# Altium PCB 2014_BeaconEye.PCBDOC
Units mil, origin at the board's own origin, x right, y up, seen from the top; angles counter-clockwise.
Board outline 3070.87 x 2952.76 mil, 4 copper layers (1-TOP, 2-GND, 3-SIGNAL, 4-BOTTOM); 50 components, 54 nets, 236 pads, 64 vias.
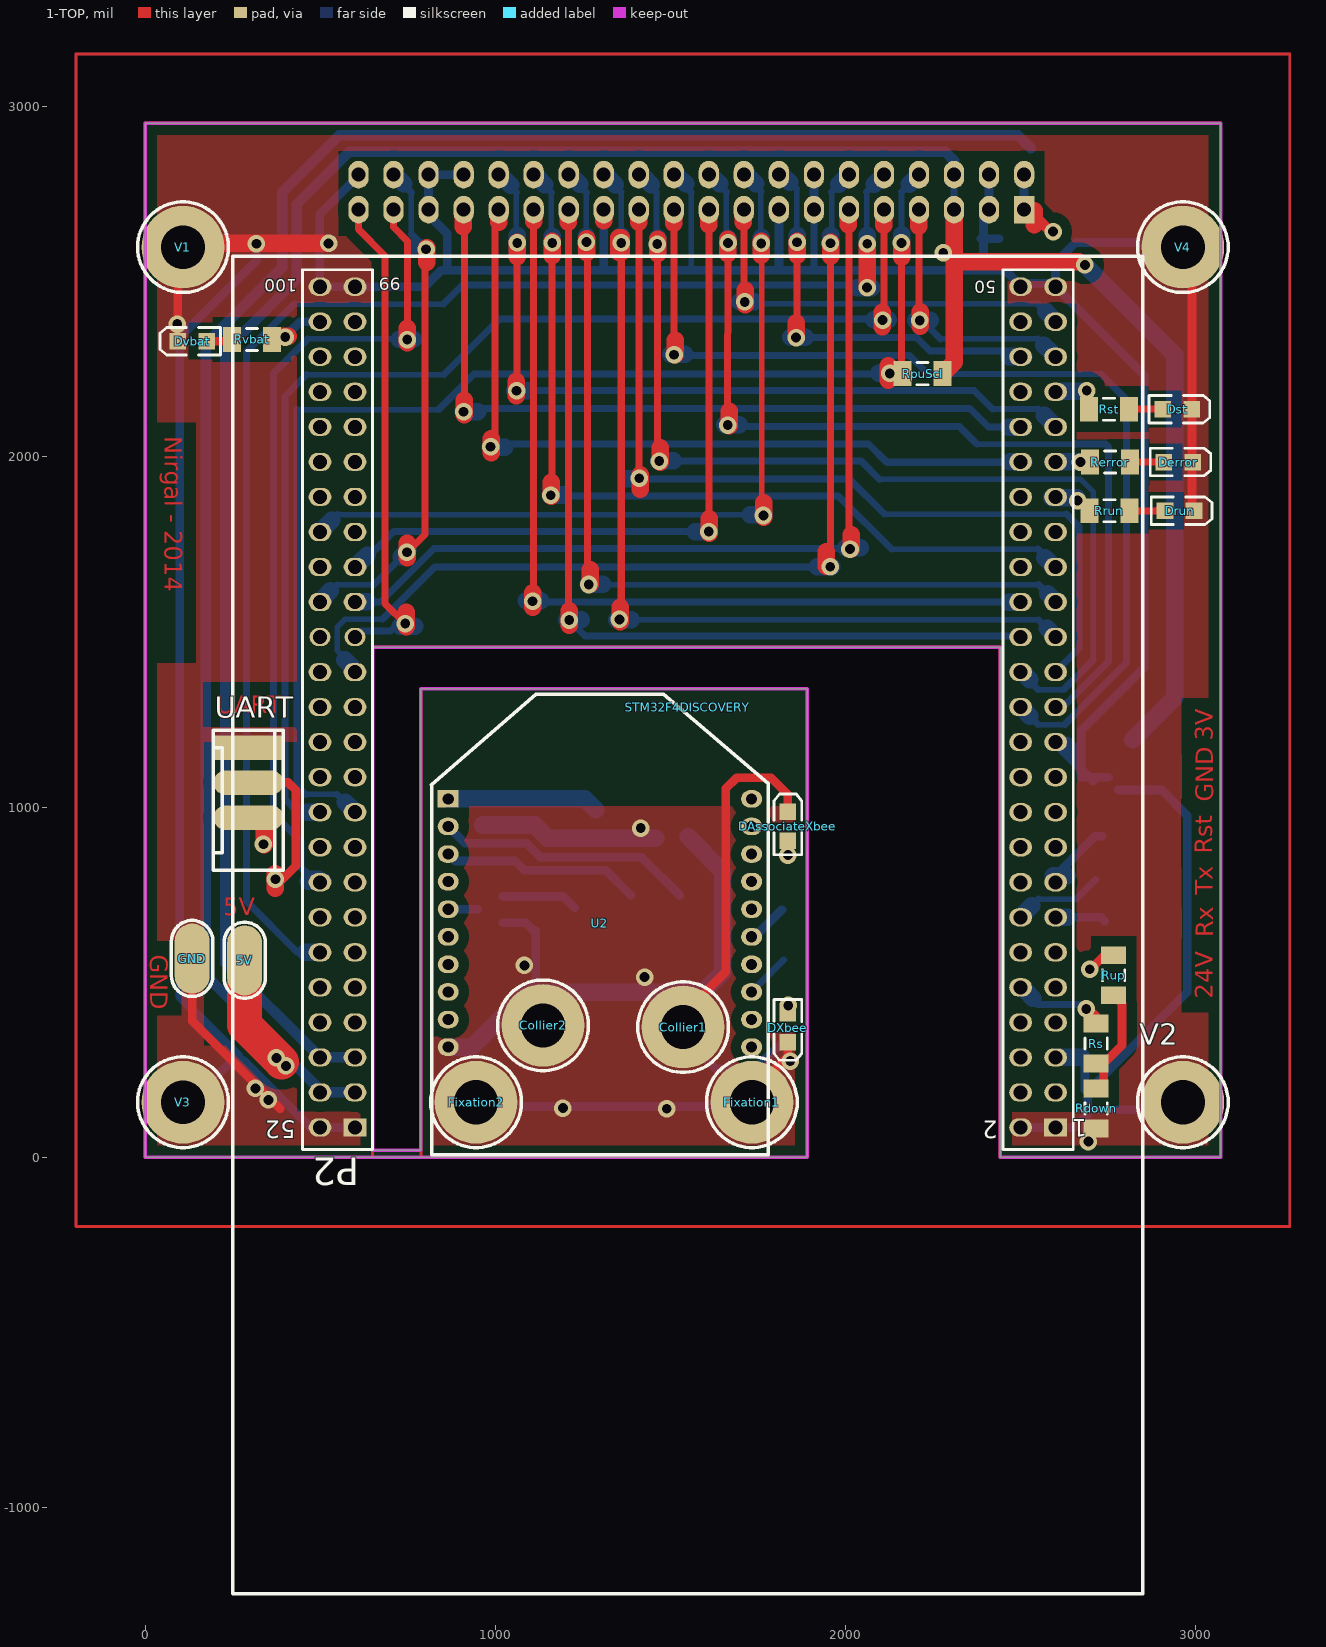
[diagram p0: 1-TOP view]
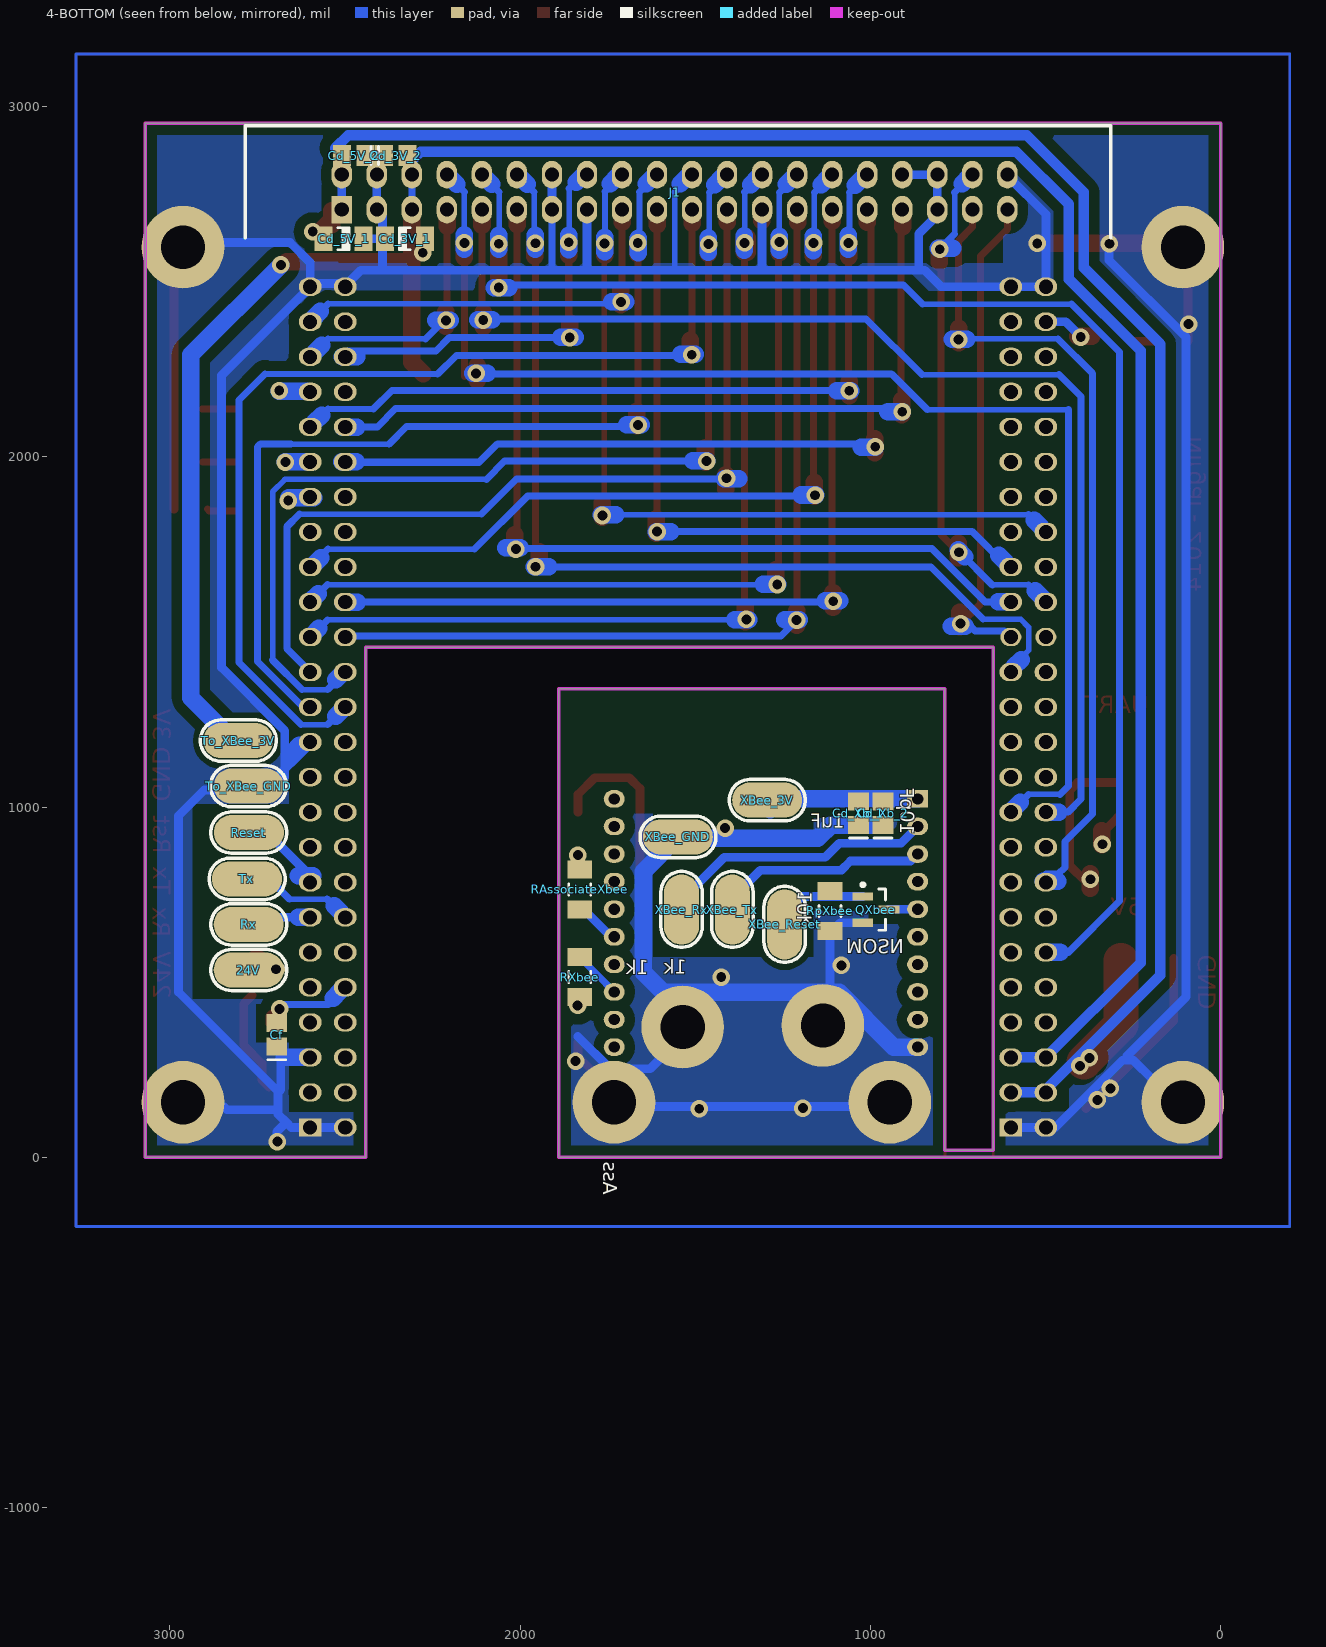
[diagram p1: 4-BOTTOM view, seen from below]
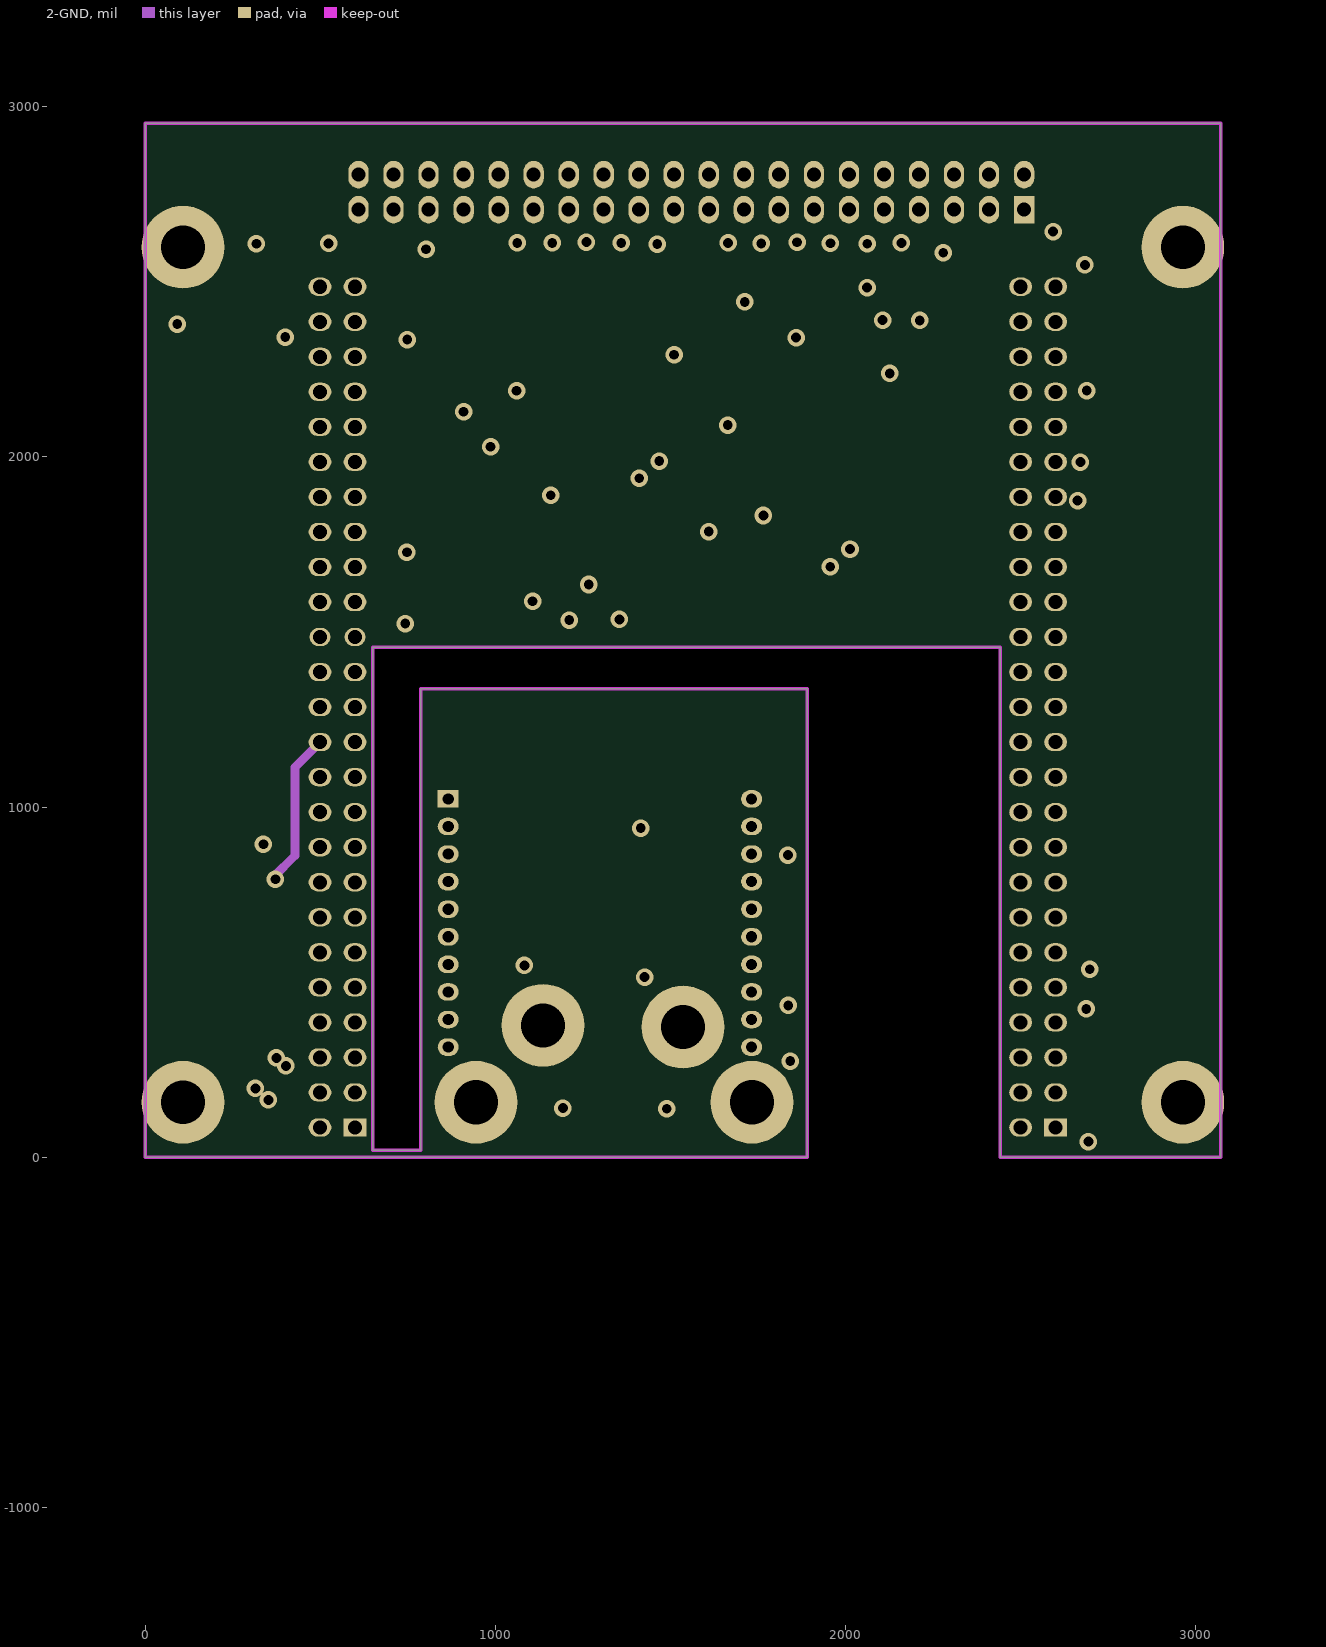
[diagram p2: 2-GND]
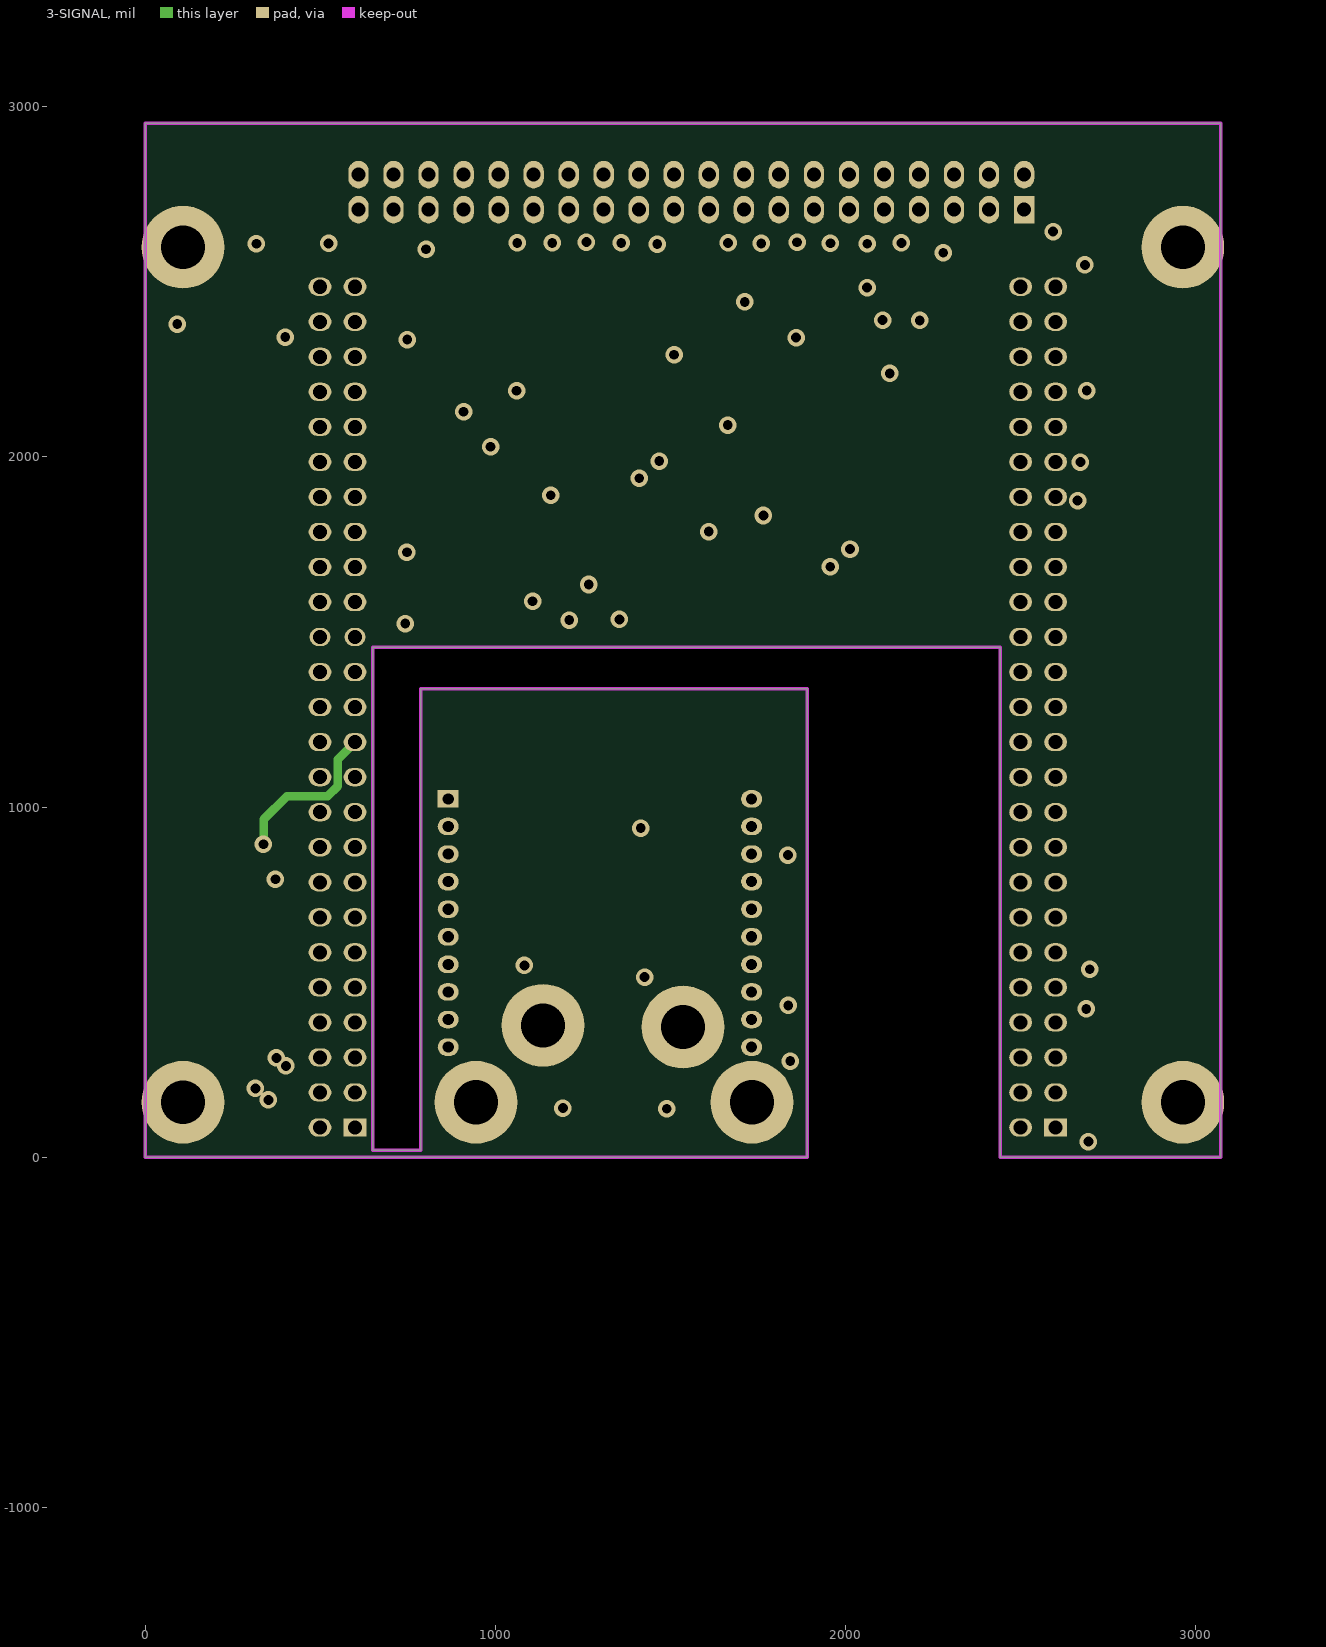
[diagram p3: 3-SIGNAL]

## Layer stack, top to bottom
1-TOP: signal copper 1.4
Dielectric: prepreg 12.6, FR-4, Dk 4.8
2-GND: signal copper 1.4
Dielectric: core 12.6, FR-4, Dk 4.8
3-SIGNAL: signal copper 1.4
Dielectric: prepreg 12.6, FR-4, Dk 4.8
4-BOTTOM: signal copper 1.4

## Board outline
0,0 0,2952.76 3070.87,2952.76 3070.87,0 2440.94,0 2440.94,1456.69 649.61,1456.69 649.61,21 787.4,21 787.4,1338.58 1889.76,1338.58 1889.76,0

## Design rules (kind name [scope] priority, off if disabled: settings)
Clearance Clearance_2 [InNamedPolygon('1-XBEE_GND') Or  InNamedPolygon('4-XBEE_GND')] p1: gap=30
Clearance Clearance_1 [InNamedPolygon('4-GND') Or  InNamedPolygon('1-GND')] p2: gap=30
Clearance [All] p3: gap=10
FabricationTestPointUsage TestPointUsage [All] p1: valid=0 allowmultiple=FALSE
FabricationTestpoint Testpoint [All] p1: side=3 testpointundercomponent=TRUE minsize=40 maxsize=100 preferedsize=60 minholesize=0 maxholesize=40 preferedholesize=32 testpointgrid=1 allowsidetop=TRUE allowsidebottom=TRUE usegrid=TRUE gridtolerance=0.01
PlaneClearance [All] p1: clearance=10
PlaneConnect [All] p1: planeconnectstyle=Direct reliefexpansion=25 reliefentries=4 reliefconductorwidth=12 reliefairgap=15
PolygonConnect [All] p1: connectstyle=Direct reliefconductorwidth=10 reliefentries=4 polygonreliefangle="90 Angle"
RoomDefinition 2014_BeaconEye [InComponentClass('2014_BeaconEye')] p1: confinementstyle=ConfineIn formatcopy=TRUE lockcomponents=FALSE outline 3115.6,-39 4926.6,-39 4926.6,261 3115.6,261
RoutingLayers RoutingLayers_1 [All] p1: top layer_v5=TRUE mid layer 1_v5=FALSE mid layer 2_v5=FALSE bottom layer_v5=TRUE
RoutingLayers [All] p2: top layer_v5=TRUE mid layer 1_v5=FALSE mid layer 2_v5=FALSE bottom layer_v5=TRUE
RoutingVias [All] p1: holewidth=28 width=50 viastyle="Through Hole" minholewidth=28 minwidth=50 maxholewidth=28 maxwidth=50
SilkscreenOverComponentPads [All] p1: minsilkscreentomaskgap=10
SolderMaskExpansion [All] p1: expansion=0
Width [All] p1: maxlimit=150 minlimit=12 preferedwidth=15
22 further rules are at their usual default settings.

## Components (designator, comment, footprint, x,y, rotation, side; value= is the part's Value field where it differs from the comment)
5V "Pad_M3" PAD_CMS_5.08x2.54 284.37,562.48 r90 top
24V "Pad_M3" PAD_CMS_5.08x2.54 2775,535 r180 bottom
Cd_3V_1 "10uF" C1206_N 2329.37,2622.48 r180 bottom
Cd_3V_2 "100nF" C0805_N 2355,2860 r180 bottom
Cd_5V_1 "10uF" C1206_N 2504.37,2622.48 r0 bottom
Cd_5V_2 "100nF" C0805_N 2475,2860 r0 bottom
Cd_Xb_1 "1uF" C0805_N 1034.37,982.42 r90 bottom
Cd_Xb_2 "10pF" C0805_N 964.37,982.42 r90 bottom
Cf "100nF" C0805_N 2695,350 r90 bottom
Collier1 "Pad_M3" M3x6mm#1 1536,372 r0 top
Collier2 "Pad_M3" M3x6mm#1 1136,377 r0 top
DAssociateXbee "LED Jaune" LED_0805 1835,945 r90 top
Derror "LED Rouge" LED_0805 2950,1985 r0 top
Drun "LED Verte" LED_0805 2953,1846 r0 top
Dst "LED BLEUE" LED_0805 2947,2136 r0 top
Dvbat "LED Rouge" LED_0805 135,2330 r180 top
DXbee "LED Verte" LED_0805 1835,370 r270 top
Fixation1 "Pad_M3" M3x6mm#1 1732.28,157.48 r90 top
Fixation2 "Pad_M3" M3x6mm#1 944.88,157.48 r90 top
GND "Pad_M3" PAD_CMS_5.08x2.54 134.37,567.48 r90 top
J1 "Fond de Panier" HE10/40_FACTO 2509.37,2705.48 r180 bottom
QXbee "Transistor MOSFET-N" SOT23-3N 984.37,707.48 r180 bottom
RAssociateXbee "1k" R1206_N 1830,765 r90 bottom
Rdown "10k" R1206_N 2715,140 r90 top
Rerror "150" R1206_N 2755,1985 r0 top
Reset "Pad_M3" PAD_CMS_5.08x2.54 2774.37,927.48 r0 bottom
RpuScl "4.7k" R1206_N 2219.37,2237.48 r0 top
RpXbee "10k" R1206_N 1115.37,703.48 r270 bottom
Rrun "150" R1206_N 2753,1846 r0 top
Rs "10k" R1206_N 2715,325 r90 top
Rst "150" R1206_N 2752,2136 r0 top
Rup "100k" R1206_N 2765,520 r90 top
Rvbat "150" R1206_N 305,2335 r180 top
Rx "Pad_M3" PAD_CMS_5.08x2.54 2775,665 r180 bottom
RXbee "1k" R1206_N 1830,515 r270 bottom
STM32F4DISCOVERY "STM32F4DISCOVERY" STM32_F4DISCOVERY 2599.37,85.48 r180 top locked
To_XBee_3V "Pad_M3" PAD_CMS_5.08x2.54 2805,1190 r180 bottom
To_XBee_GND "Pad_M3" PAD_CMS_5.08x2.54 2775,1060 r0 bottom
Tx "Pad_M3" PAD_CMS_5.08x2.54 2780,795 r180 bottom
U2 "XBee" MODULE_XBEE 865.37,1023.48 r0 top
UART "BARRETTE4" HE14_4 295,1170 r270 top
V1 "Pad_M3" M3x6mm#2 108.27,2598.43 r0 top
V2 "Pad_M3" M3x6mm#1 2962.6,157.48 r0 top
V3 "Pad_M3" M3x6mm#2 108.27,157.48 r0 top
V4 "Pad_M3" M3x6mm#2 2962.6,2598.43 r0 top
XBee_3V "Pad_M3" PAD_CMS_5.08x2.54 1295,1020 r180 bottom
XBee_GND "Pad_M3" PAD_CMS_5.08x2.54 1550,915 r180 bottom
XBee_Reset "Pad_M3" PAD_CMS_5.08x2.54 1245,665 r90 bottom
XBee_Rx "Pad_M3" PAD_CMS_5.08x2.54 1539.37,707.48 r90 bottom
XBee_Tx "Pad_M3" PAD_CMS_5.08x2.54 1394.37,707.48 r90 bottom

## Footprints (in the part's own frame and the unit in brackets; to place one, negate y for a bottom-side part, rotate by r counter-clockwise, add the part's x,y. Pads: shape width x height; smd on the part's side, far side on the other; paste and mask are expansions set on the pad)
C0805_N [mm] "Chip Capacitor, Body 2.0x1.3mm, IPC Medium Density"
  rect 1.3x1.5 smd: 1(-0.85,0) 2(0.85,0)
  silkscreen extent -1.8,-0.65 -1.8,0.65, body extent -0.99,-0.63 1.01,0.63, height 0.8
C1206_N [mm] "Chip Capacitor, Body 3.2x1.6mm, IPC Medium Density"
  rect 1.3x1.8 smd: 1(-1.45,0) 2(1.45,0)
  silkscreen extent -0.4,-0.8 0.4,0.8, body extent -1.57,-0.81 1.63,0.79, height 1.02
HE10/40_FACTO [mil] "Connector; HE10; 40 Position; Male; Right Angle; Pin Spacing=2.54mm"
  rect 58x78.74 hole 40: 1(0,0)
  oval 58x78.74 hole 40: 2(0,100) 3(100,0) 4(100,100) 5(200,0) 6(200,100) 7(300,0) 8(300,100) 9(400,0) 10(400,100) 11(500,0) 12(500,100) 13(600,0) 14(600,100) 15(700,0) 16(700,100) 17(800,0) 18(800,100) 19(900,0) 20(900,100) 21(1000,0) 22(1000,100) 23(1100,0) 24(1100,100) 25(1200,0) 26(1200,100) 27(1300,0) 28(1300,100) 29(1400,0) 30(1400,100) 31(1500,0) 32(1500,100) 33(1600,0) 34(1600,100) 35(1700,0) 36(1700,100) 37(1800,0) 38(1800,100) 39(1900,0) 40(1900,100)
  silkscreen extent -275,-80 2195,240, body extent -280,-85 2200,486, height 0
HE14_4 [mil] "Connector; HE14; 4 Position; Pin Spacing=2.54mm"
  rect 70x200 smd: 1(0,0)
  oval 70x200 smd: 2(100,0) 3(200,0)
  round 0 smd: 4(300,0)
  silkscreen extent -50,-100 350,100, body extent -51,-96 349,100, height 449
LED_0805 [mm] "SM LED; 2 Flat Leads"
  rect 1.2x1.2 smd: 1(-1.05,0) 2(1.05,0)
  silkscreen extent -2.05,-1 2.35,1, body extent -1.05,-0.64 1.06,0.64, height 1.2
M3x6mm#1 [mm] "Vis M3 X 6mm"
  round 6 hole 3.2: 1(0,0)
  silkscreen extent -3.29,-3.28 3.29,3.28
M3x6mm#2 [mm] "Vis M3 X 6mm"
  round 6 hole 3.175: 1(0,0)
  silkscreen extent -3.29,-3.28 3.29,3.28